# KiCad board raven.kicad_pcb
title: Raven 68060; date: 2026; rev: A2b; company: Licensed under CERN-OHL-W v2; note: (c)2026 Anders Granlund
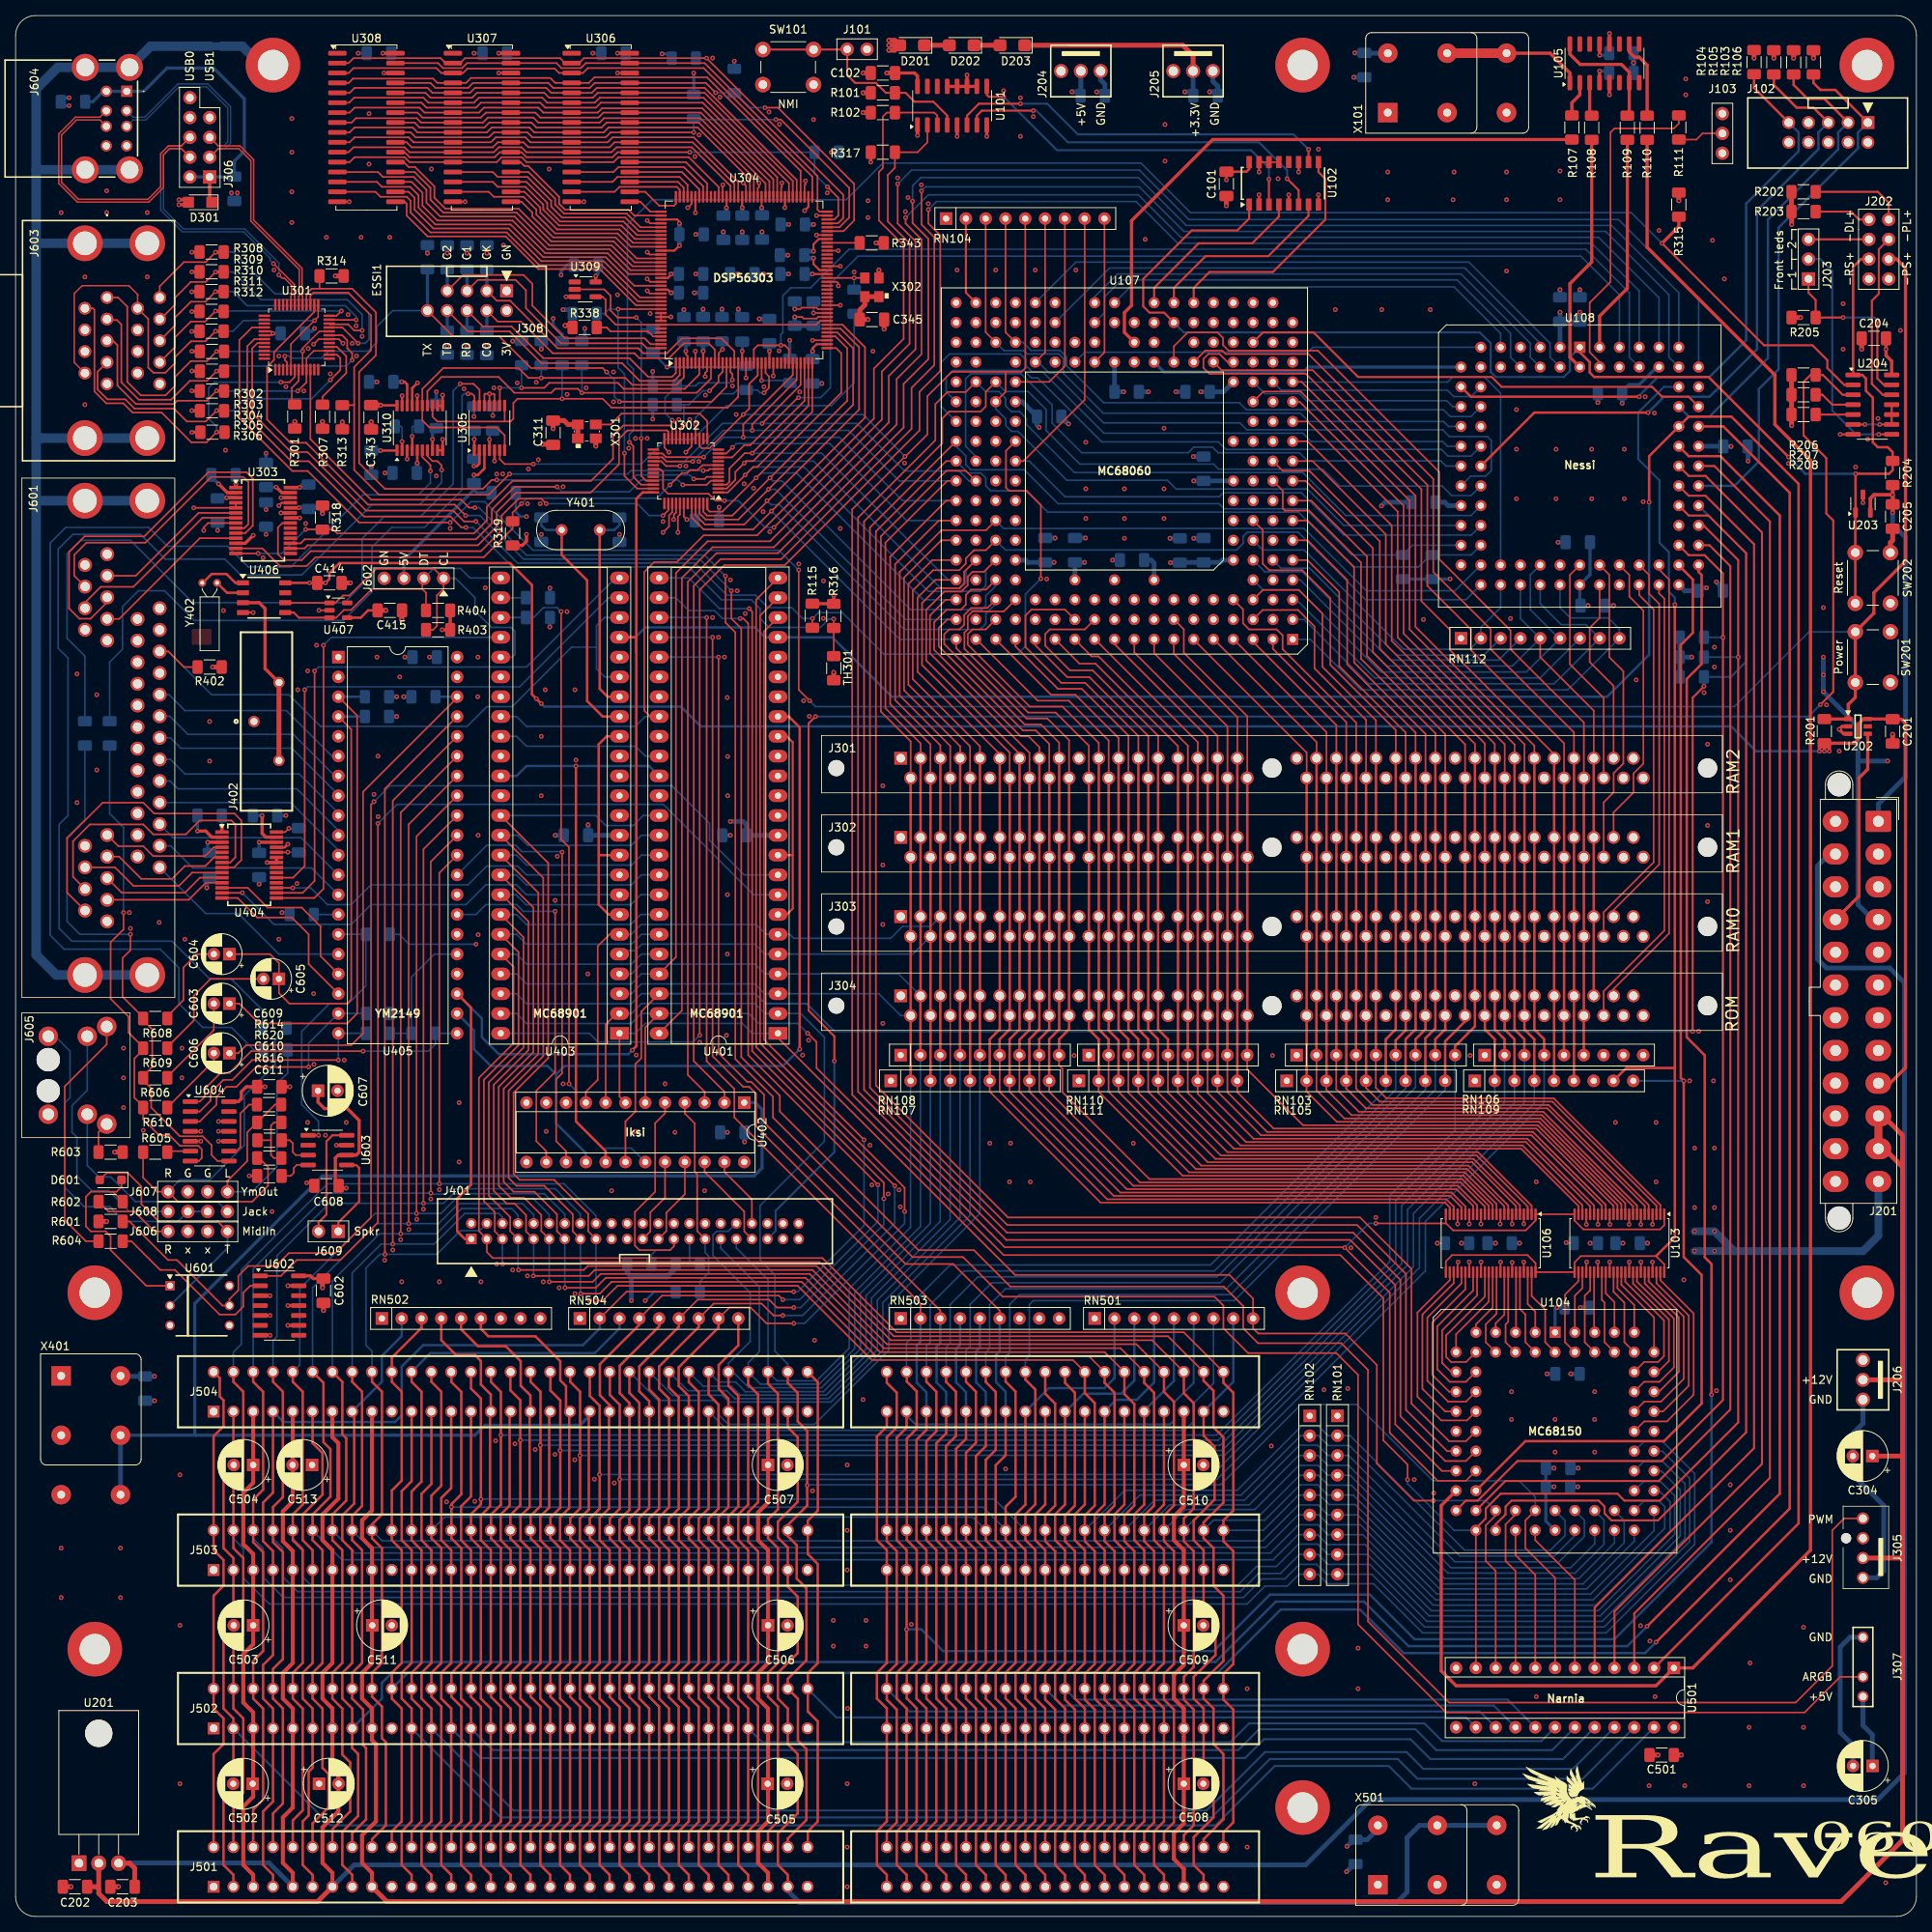
[diagram p0: board, top side]
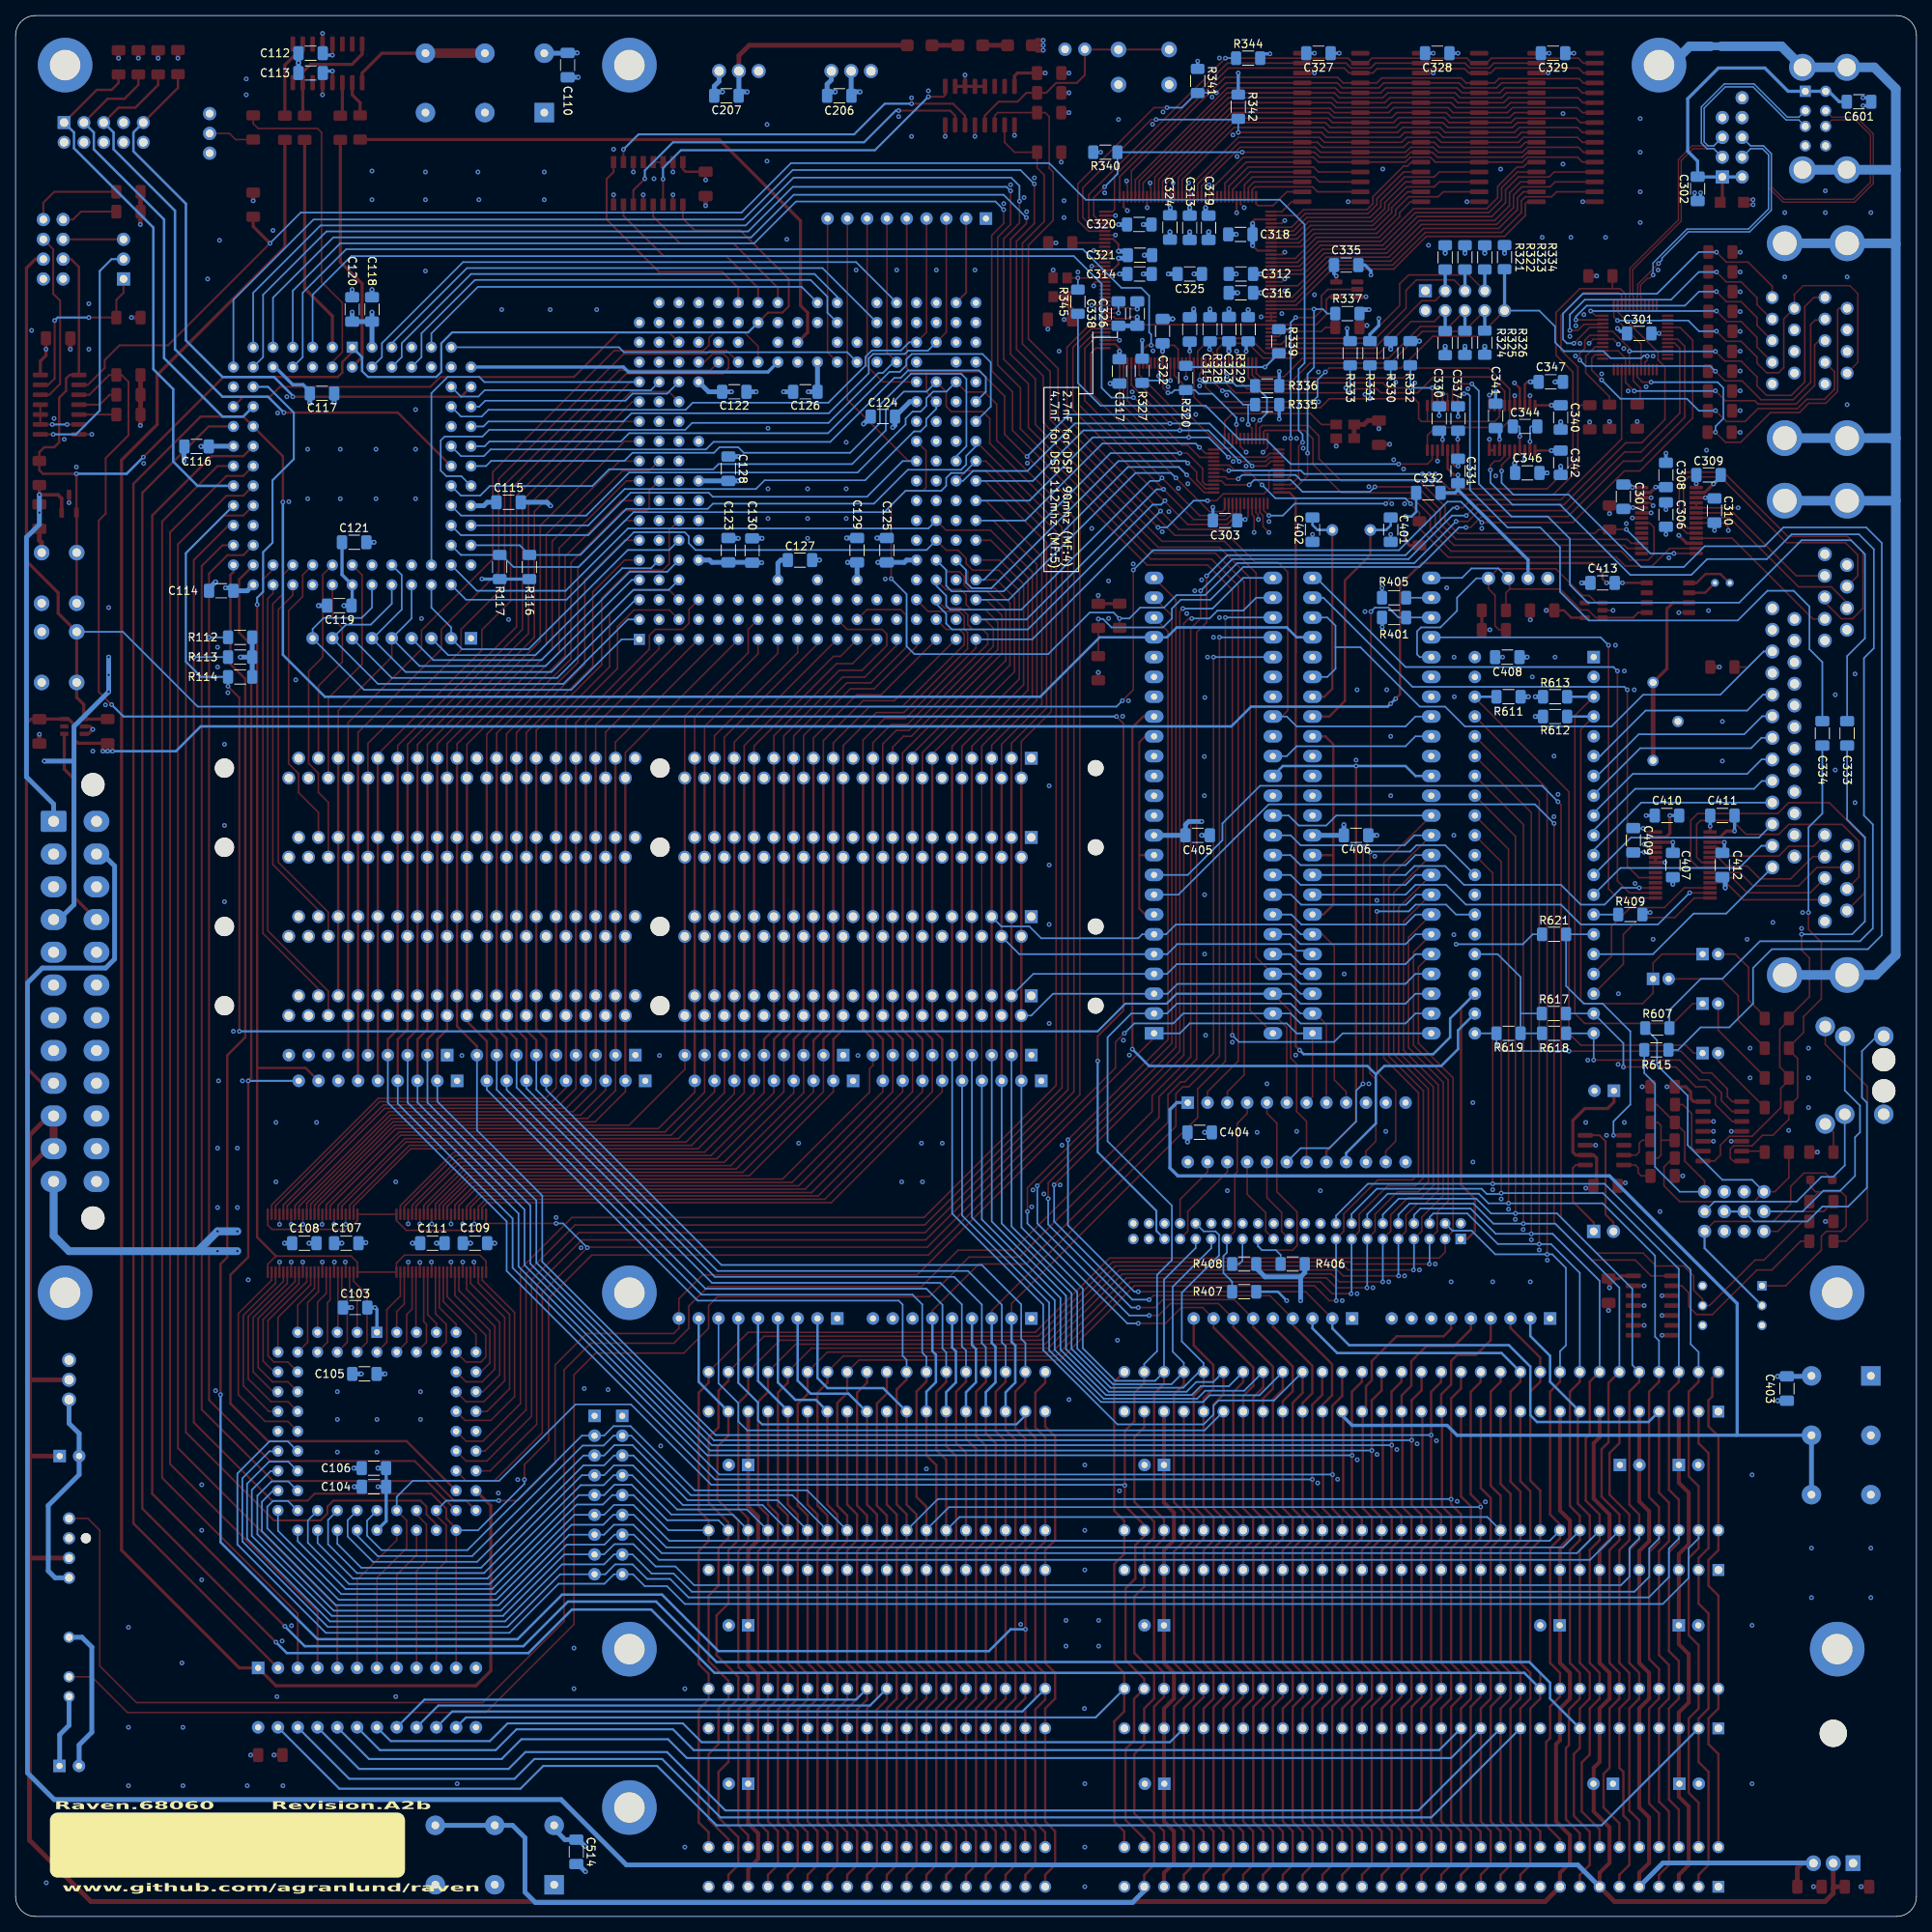
[diagram p1: board, bottom side, seen from below]

Outline 243.84 x 243.84 mm; copper layers: Top, In1.Cu (plane), In2.Cu (plane), In3.Cu (plane), In4.Cu (plane), Bottom. Coordinates in mm from the lower left corner of the outline.
Outline path: 0,241.3 0,2.54 arc(0.74,0.74) 2.54,0 241.3,0 arc(243.1,0.74) 243.84,2.54 243.84,241.3 arc(243.1,243.1) 241.3,243.84 2.54,243.84 arc(0.74,243.1) 0,241.3
Stack: Top 0.035mm / dielectric 0.0994mm FR4 er 4.5 / In1.Cu 0.0152mm / dielectric 0.55mm FR4 er 4.5 / In2.Cu 0.0152mm / dielectric 0.1088mm FR4 er 4.5 / In3.Cu 0.0152mm / dielectric 0.55mm FR4 er 4.5 / In4.Cu 0.0152mm / dielectric 0.0994mm FR4 er 4.5 / Bottom 0.035mm

## Placement (name value [footprint] x y rotation side)
C101  0.1u  [C_1206_3216Metric_Pad1.33x1.80mm_HandSolder]  155.32 222.25 270 top
C102  0.1u  [C_1206_3216Metric_Pad1.33x1.80mm_HandSolder]  111.25 236.47 180 top
C103  0.1u  [C_1206_3216Metric_Pad1.33x1.80mm_HandSolder]  200.28 78.11 0 bottom
C104  0.1u  [C_1206_3216Metric_Pad1.33x1.80mm_HandSolder]  197.87 55.12 0 bottom
C105  1u  [C_1206_3216Metric_Pad1.33x1.80mm_HandSolder]  199.09 69.6 180 bottom
C106  10u  [C_1206_3216Metric_Pad1.33x1.80mm_HandSolder]  197.88 57.51 180 bottom
C107  0.1u  [C_1206_3216Metric_Pad1.33x1.80mm_HandSolder]  201.42 86.36 180 bottom
C108  0.1u  [C_1206_3216Metric_Pad1.33x1.80mm_HandSolder]  206.79 86.36 180 bottom
C109  0.1u  [C_1206_3216Metric_Pad1.33x1.80mm_HandSolder]  184.91 86.36 180 bottom
C110  0.1u  [C_1206_3216Metric_Pad1.33x1.80mm_HandSolder]  173.02 237.49 90 bottom
C111  0.1u  [C_1206_3216Metric_Pad1.33x1.80mm_HandSolder]  190.37 86.36 180 bottom
C112  0.1u  [C_1206_3216Metric_Pad1.33x1.80mm_HandSolder]  205.99 236.47 180 bottom
C113  0.1u  [C_1206_3216Metric_Pad1.33x1.80mm_HandSolder]  205.99 239.01 180 bottom
C114  0.1u  [C_1206_3216Metric_Pad1.33x1.80mm_HandSolder]  217.46 170.05 180 bottom
C115  0.1u  [C_1206_3216Metric_Pad1.33x1.80mm_HandSolder]  180.59 181.41 0 bottom
C116  0.1u  [C_1206_3216Metric_Pad1.33x1.80mm_HandSolder]  220.62 188.57 180 bottom
C117  0.1u  [C_1206_3216Metric_Pad1.33x1.80mm_HandSolder]  204.53 195.38 0 bottom
C118  0.1u  [C_1206_3216Metric_Pad1.33x1.80mm_HandSolder]  198.12 206.15 270 bottom
C119  0.1u  [C_1206_3216Metric_Pad1.33x1.80mm_HandSolder]  202.31 168.15 180 bottom
C120  1u  [C_1206_3216Metric_Pad1.33x1.80mm_HandSolder]  200.66 206.15 270 bottom
C121  10u  [C_1206_3216Metric_Pad1.33x1.80mm_HandSolder]  200.41 176.28 0 bottom
C122  0.1u  [C_1206_3216Metric_Pad1.33x1.80mm_HandSolder]  151.64 195.58 0 bottom
C123  0.1u  [C_1206_3216Metric_Pad1.33x1.80mm_HandSolder]  152.4 175.26 270 bottom
C124  0.1u  [C_1206_3216Metric_Pad1.33x1.80mm_HandSolder]  132.59 192.41 180 bottom
C125  0.1u  [C_1206_3216Metric_Pad1.33x1.80mm_HandSolder]  132.08 175.26 270 bottom
C126  0.1u  [C_1206_3216Metric_Pad1.33x1.80mm_HandSolder]  142.53 195.58 180 bottom
C127  0.1u  [C_1206_3216Metric_Pad1.33x1.80mm_HandSolder]  143.22 173.99 0 bottom
C128  0.1u  [C_1206_3216Metric_Pad1.33x1.80mm_HandSolder]  152.4 185.71 270 bottom
C129  10u  [C_1206_3216Metric_Pad1.33x1.80mm_HandSolder]  135.89 175.26 270 bottom
C130  1u  [C_1206_3216Metric_Pad1.33x1.80mm_HandSolder]  149.35 175.22 270 bottom
C201  0.1u  [C_1206_3216Metric_Pad1.33x1.80mm_HandSolder]  240.79 152.02 270 top
C202  0.1u  [C_1206_3216Metric_Pad1.33x1.80mm_HandSolder]  7.62 3.81 180 top
C203  0.1u  [C_1206_3216Metric_Pad1.33x1.80mm_HandSolder]  13.72 3.81 180 top
C204  0.1u  [C_1206_3216Metric_Pad1.33x1.80mm_HandSolder]  238.38 202.44 180 top
C205  0.1u  [C_1206_3216Metric_Pad1.33x1.80mm_HandSolder]  240.79 179.58 270 top
C206  10u  [C_1206_3216Metric_Pad1.33x1.80mm_HandSolder]  138.18 233.55 0 bottom
C207  10u  [C_1206_3216Metric_Pad1.33x1.80mm_HandSolder]  152.65 233.55 0 bottom
C301  0.1u  [C_1206_3216Metric_Pad1.33x1.80mm_HandSolder]  35.56 203.07 180 bottom
C302  10u  [C_1206_3216Metric_Pad1.33x1.80mm_HandSolder]  28.07 221.62 270 bottom
C303  0.1u  [C_1206_3216Metric_Pad1.33x1.80mm_HandSolder]  88.68 179.07 0 bottom
C304  10u  [CP_Radial_D6.3mm_P2.50mm]  238.19 59.06 180 top
C305  100u  [CP_Radial_D6.3mm_P2.50mm]  238.21 19.3 180 top
C306  0.1u  [C_1206_3216Metric_Pad1.33x1.80mm_HandSolder]  32.13 179.83 270 bottom
C307  0.1u  [C_1206_3216Metric_Pad1.33x1.80mm_HandSolder]  37.59 182.12 90 bottom
C308  0.1u  [C_1206_3216Metric_Pad1.33x1.80mm_HandSolder]  32.13 184.91 90 bottom
C309  0.1u  [C_1206_3216Metric_Pad1.33x1.80mm_HandSolder]  26.67 184.91 0 bottom
C310  0.1u  [C_1206_3216Metric_Pad1.33x1.80mm_HandSolder]  25.91 180.34 270 bottom
C311  0.01u  [C_1206_3216Metric_Pad1.33x1.80mm_HandSolder]  68.95 190.33 270 top
C312  0.1u  [C_1206_3216Metric_Pad1.33x1.80mm_HandSolder]  86.65 210.69 180 bottom
C313  0.1u  [C_1206_3216Metric_Pad1.33x1.80mm_HandSolder]  93.22 216.62 90 bottom
C314  0.1u  [C_1206_3216Metric_Pad1.33x1.80mm_HandSolder]  99.66 210.69 0 bottom
C315  0.1u  [C_1206_3216Metric_Pad1.33x1.80mm_HandSolder]  93.22 203.58 270 bottom
C316  0.1u  [C_1206_3216Metric_Pad1.33x1.80mm_HandSolder]  86.65 208.28 180 bottom
C317  0.1u  [C_1206_3216Metric_Pad1.33x1.80mm_HandSolder]  102.23 198.21 90 bottom
C318  0.1u  [C_1206_3216Metric_Pad1.33x1.80mm_HandSolder]  86.72 215.77 180 bottom
C319  0.1u  [C_1206_3216Metric_Pad1.33x1.80mm_HandSolder]  90.81 216.62 90 bottom
C320  0.1u  [C_1206_3216Metric_Pad1.33x1.80mm_HandSolder]  99.69 217.04 180 bottom
C321  0.1u  [C_1206_3216Metric_Pad1.33x1.80mm_HandSolder]  99.61 213.11 0 bottom
C322  0.1u  [C_1206_3216Metric_Pad1.33x1.80mm_HandSolder]  96.7 203.37 270 bottom
C323  0.1u  [C_1206_3216Metric_Pad1.33x1.80mm_HandSolder]  88.19 203.62 270 bottom
C324  1u  [C_1206_3216Metric_Pad1.33x1.80mm_HandSolder]  95.76 216.66 90 bottom
C325  10u  [C_1206_3216Metric_Pad1.33x1.80mm_HandSolder]  93.22 210.69 180 bottom
C326  0.47u  [C_1206_3216Metric_Pad1.33x1.80mm_HandSolder]  99.95 205.61 270 bottom
C327  0.1u  [C_1206_3216Metric_Pad1.33x1.80mm_HandSolder]  76.71 239.01 0 bottom
C328  0.1u  [C_1206_3216Metric_Pad1.33x1.80mm_HandSolder]  61.47 239.01 0 bottom
C329  0.1u  [C_1206_3216Metric_Pad1.33x1.80mm_HandSolder]  46.61 239.01 0 bottom
C330  0.1u  [C_1206_3216Metric_Pad1.33x1.80mm_HandSolder]  61.21 192.15 270 bottom
C331  0.1u  [C_1206_3216Metric_Pad1.33x1.80mm_HandSolder]  58.8 185.42 270 bottom
C332  1u  [C_1206_3216Metric_Pad1.33x1.80mm_HandSolder]  62.61 182.63 180 bottom
C333  1u  [C_1206_3216Metric_Pad1.33x1.80mm_HandSolder]  8.89 151.77 270 bottom
C334  1u  [C_1206_3216Metric_Pad1.33x1.80mm_HandSolder]  12.06 151.77 270 bottom
C335  0.1u  [C_1206_3216Metric_Pad1.33x1.80mm_HandSolder]  73.15 211.84 180 bottom
C337  0.1u  [C_1206_3216Metric_Pad1.33x1.80mm_HandSolder]  58.8 192.15 270 bottom
C338  2.7n  [C_1206_3216Metric_Pad1.33x1.80mm_HandSolder]  102.36 205.61 90 bottom
C340  0.1u  [C_1206_3216Metric_Pad1.33x1.80mm_HandSolder]  45.63 192.28 270 bottom
C341  0.1u  [C_1206_3216Metric_Pad1.33x1.80mm_HandSolder]  53.98 192.49 90 bottom
C342  0.1u  [C_1206_3216Metric_Pad1.33x1.80mm_HandSolder]  45.63 186.48 270 bottom
C343  1u  [C_1206_3216Metric_Pad1.33x1.80mm_HandSolder]  45.59 192.32 270 top
C344  2.2u  [C_1206_3216Metric_Pad1.33x1.80mm_HandSolder]  50.2 191.14 180 bottom
C345  0.01u  [C_1206_3216Metric_Pad1.33x1.80mm_HandSolder]  109.85 204.85 0 top
C346  2.2u  [C_1206_3216Metric_Pad1.33x1.80mm_HandSolder]  49.91 185.17 0 bottom
C347  0.1u  [C_1206_3216Metric_Pad1.33x1.80mm_HandSolder]  46.9 196.86 180 bottom
C401  33p  [C_1206_3216Metric_Pad1.33x1.80mm_HandSolder]  67.44 177.89 90 bottom
C402  33p  [C_1206_3216Metric_Pad1.33x1.80mm_HandSolder]  77.47 177.89 90 bottom
C403  0.1u  [C_1206_3216Metric_Pad1.33x1.80mm_HandSolder]  16.61 67.72 90 bottom
C404  0.1u  [C_1206_3216Metric_Pad1.33x1.80mm_HandSolder]  91.95 100.58 180 bottom
C405  0.1u  [C_1206_3216Metric_Pad1.33x1.80mm_HandSolder]  92.2 138.68 0 bottom
C406  0.1u  [C_1206_3216Metric_Pad1.33x1.80mm_HandSolder]  71.88 138.68 0 bottom
C407  0.1u  [C_1206_3216Metric_Pad1.33x1.80mm_HandSolder]  31.24 134.87 270 bottom
C408  0.1u  [C_1206_3216Metric_Pad1.33x1.80mm_HandSolder]  52.48 161.54 180 bottom
C409  0.1u  [C_1206_3216Metric_Pad1.33x1.80mm_HandSolder]  36.32 138.05 90 bottom
C410  0.1u  [C_1206_3216Metric_Pad1.33x1.80mm_HandSolder]  32 141.22 0 bottom
C411  0.1u  [C_1206_3216Metric_Pad1.33x1.80mm_HandSolder]  24.89 141.22 0 bottom
C412  0.1u  [C_1206_3216Metric_Pad1.33x1.80mm_HandSolder]  24.89 134.87 270 bottom
C413  1u  [C_1206_3216Metric_Pad1.33x1.80mm_HandSolder]  40.26 171.07 180 bottom
C414  0.1u  [C_1206_3216Metric_Pad1.33x1.80mm_HandSolder]  40.26 171.07 180 top
C415  0.1u  [C_1206_3216Metric_Pad1.33x1.80mm_HandSolder]  48.01 167.54 180 top
C501  0.1u  [C_1206_3216Metric_Pad1.33x1.80mm_HandSolder]  211.16 20.7 180 top
C502  10u  [CP_Radial_D6.3mm_P2.50mm]  30.42 17.02 180 top
C503  10u  [CP_Radial_D6.3mm_P2.50mm]  30.48 37.34 180 top
C504  10u  [CP_Radial_D6.3mm_P2.50mm]  30.48 57.91 180 top
C505  10u  [CP_Radial_D6.3mm_P2.50mm]  96.48 17.02 0 top
C506  10u  [CP_Radial_D6.3mm_P2.50mm]  96.52 37.34 0 top
C507  10u  [CP_Radial_D6.3mm_P2.50mm]  96.52 57.91 0 top
C508  10u  [CP_Radial_D6.3mm_P2.50mm]  149.86 17.02 0 top
C509  10u  [CP_Radial_D6.3mm_P2.50mm]  149.86 37.34 0 top
C510  10u  [CP_Radial_D6.3mm_P2.50mm]  149.86 57.91 0 top
C511  10u  [CP_Radial_D6.3mm_P2.50mm]  45.76 37.34 0 top
C512  10u  [CP_Radial_D6.3mm_P2.50mm]  38.93 17.02 0 top
C513  10u  [CP_Radial_D6.3mm_P2.50mm]  38.04 57.91 180 top
C514  0.1u  [C_1206_3216Metric_Pad1.33x1.80mm_HandSolder]  171.91 8.28 90 bottom
C601  10u  [C_1206_3216Metric_Pad1.33x1.80mm_HandSolder]  7.37 232.79 180 bottom
C602  0.1u  [C_1206_3216Metric_Pad1.33x1.80mm_HandSolder]  39.5 80.26 270 top
C603  4u7  [CP_Radial_D5.0mm_P2.00mm]  27.43 117.09 180 top
C604  4u7  [CP_Radial_D5.0mm_P2.00mm]  27.43 123.44 180 top
C605  4u7  [CP_Radial_D5.0mm_P2.00mm]  33.78 120.27 180 top
C606  4u7  [CP_Radial_D5.0mm_P2.00mm]  27.43 110.74 180 top
C607  10u  [CP_Radial_D6.3mm_P2.50mm]  38.8 105.92 0 top
C608  0.1u  [C_1206_3216Metric_Pad1.33x1.80mm_HandSolder]  39.88 93.73 0 top
C609  0.1u  [C_1206_3216Metric_Pad1.33x1.80mm_HandSolder]  32.55 106.43 0 top
C610  0.1u  [C_1206_3216Metric_Pad1.33x1.80mm_HandSolder]  32.58 99.57 180 top
C611  0.1u  [C_1206_3216Metric_Pad1.33x1.80mm_HandSolder]  32.55 95 180 top
D201  1A 50V  [D_SOD-123F_Handsolder]  115 240.03 180 top
D202  1A 50V  [D_SOD-123F_Handsolder]  121.37 240.03 180 top
D203  1A 50V  [D_SOD-123F_Handsolder]  127.87 240.03 180 top
D301  PMEG2010ER  [SOD-123W-handsolder]  23.67 219.89 180 top
D601  1N914  [D_SOD-123F]  12.19 94.49 180 top
G***  LOGO  [bird]  198.02 14.07 0 top
H601  MountingHole_Pad-Mechanical  [ATX_hole]  10.16 34.29 90 top
H602  MountingHole_Pad-Mechanical  [ATX_hole]  165.1 34.29 90 top
H603  MountingHole_Pad-Mechanical  [ATX_hole]  10.16 80.01 90 top
H604  MountingHole_Pad-Mechanical  [ATX_hole]  165.1 80.01 90 top
H605  MountingHole_Pad-Mechanical  [ATX_hole]  33.02 237.49 90 top
H606  MountingHole_Pad-Mechanical  [ATX_hole]  165.1 237.49 90 top
H607  MountingHole_Pad-Mechanical  [ATX_hole]  165.1 13.97 90 top
H608  MountingHole_Pad-Mechanical  [ATX_hole]  237.49 80.01 90 top
H609  MountingHole_Pad-Mechanical  [ATX_hole]  237.49 237.49 90 top
J101  PinHdr_01x02  [PinHeader_1x02_P2.54mm_Vertical]  109.22 239.52 270 top
J102  PinHdr_02x05  [SHDR10W64P254_2X5_2036X885X925P]  237.62 230.12 180 top
J103  PinHdr_01x03  [PinHeader_1x03_P2.54mm_Vertical]  218.95 231.27 0 top
J201  ATX Power  [ATX_pwr24]  238.96 140.48 270 top
J202  Pinhdr_02x04  [PinHeader_2x04_P2.54mm_Vertical]  237.74 217.68 0 top
J203  PinHdr_01x03  [PinHeader_1x03_P2.54mm_Vertical#2]  230 210.06 180 top
J204  FanHeader  [HDRV3W99P0X254_1X3_747X635X843P]  134.11 236.73 0 top
J205  FanHeader  [HDRV3W99P0X254_1X3_747X635X843P]  148.51 236.73 0 top
J206  FanHeader  [HDRV3W99P0X254_1X3_747X635X843P]  236.98 71.37 270 top
J301  SIMM72  [SIMM72_v_lpol]  113.55 148.58 0 top
J302  SIMM72  [SIMM72_v_lpol]  113.55 138.42 0 top
J303  SIMM72  [SIMM72_v_lpol]  113.55 128.26 0 top
J304  SIMM72  [SIMM72_v_lpol]  113.55 118.1 0 top
J305  FanHeader  [470531000]  236.98 43.43 270 top
J306  PinHdr_02x05  [USB2Header]  24.9 223.14 180 top
J307  FanHeader  [HDRV4W76P0X254_1X4_1016X254X813P]  236.98 28.19 90 top
J308  PinHdr_02x05  [ESSI-BoxHeader]  62.99 208.53 270 top
J401  IDE44  [IDE44PIN]  58.45 86.9 0 top
J402  BatteryHolder  [S8401-46]  32.18 153.29 90 top
J501  -  [ISA16]  90.17 6.35 180 top
J502  -  [ISA16]  90.17 26.67 180 top
J503  -  [ISA16]  90.17 46.99 180 top
J504  -  [ISA16]  90.17 67.31 180 top
J601  DB25/9/9  [L17H26R0121]  18.48 167.81 270 top
J602  PinHdr_01x04  [PinHeader_1x04_P2.54mm_Vertical]  54.9 171.65 270 top
J603  DB9M/9M  [K42XE9PPA4NJ]  11.73 207.68 270 top
J604  USBx2  [USB1035GFP0BB]  14.26 234.13 270 top
J605  TRSx2  [STX4235-33]  9.19 107.9 270 top
J606  PinHdr_01x04  [PinHeader_1x04_P2.54mm_Vertical]  19.56 87.88 90 top
J607  PinHdr_01x04  [PinHeader_1x04_P2.54mm_Vertical]  19.56 92.96 90 top
J608  PinHdr_01x04  [PinHeader_1x04_P2.54mm_Vertical]  19.56 90.42 90 top
J609  PinHdr_01x02  [PinHeader_1x02_P2.54mm_Vertical#2]  41.4 87.88 270 top
NT601  NetTie_2  [NetTie-2_SMD_Pad0.5mm]  25.65 239.9 180 bottom
R101  10K  [R_1206_3216Metric_Pad1.30x1.75mm_HandSolder]  111.25 233.93 0 top
R102  10K  [R_1206_3216Metric_Pad1.30x1.75mm_HandSolder]  111.25 231.39 0 top
R103  10K  [R_1206_3216Metric_Pad1.30x1.75mm_HandSolder]  228.09 237.85 270 top
R104  4K7  [R_1206_3216Metric_Pad1.30x1.75mm_HandSolder]  223.01 237.87 270 top
R105  4K7  [R_1206_3216Metric_Pad1.30x1.75mm_HandSolder]  225.55 237.85 270 top
R106  4K7  [R_1206_3216Metric_Pad1.30x1.75mm_HandSolder]  230.63 237.85 270 top
R107  33  [R_1206_3216Metric_Pad1.30x1.75mm_HandSolder]  199.64 229.49 90 top
R108  33  [R_1206_3216Metric_Pad1.30x1.75mm_HandSolder]  202.18 229.45 90 top
R109  33  [R_1206_3216Metric_Pad1.30x1.75mm_HandSolder]  206.76 229.45 90 top
R110  33  [R_1206_3216Metric_Pad1.30x1.75mm_HandSolder]  209.3 229.45 90 top
R111  10K  [R_1206_3216Metric_Pad1.30x1.75mm_HandSolder]  213.36 229.49 270 top
R112  1K  [R_1206_3216Metric_Pad1.30x1.75mm_HandSolder]  215.04 164.08 0 bottom
R113  1K  [R_1206_3216Metric_Pad1.30x1.75mm_HandSolder]  215.04 161.54 0 bottom
R114  1K  [R_1206_3216Metric_Pad1.30x1.75mm_HandSolder]  215.04 159 0 bottom
R115  1K  [R_1206_3216Metric_Pad1.30x1.75mm_HandSolder]  102.21 166.85 270 top
R116  1K  [R_1206_3216Metric_Pad1.30x1.75mm_HandSolder]  177.93 173.1 90 bottom
R117  1K  [R_1206_3216Metric_Pad1.30x1.75mm_HandSolder]  181.74 173.1 90 bottom
R201  10K  [R_1206_3216Metric_Pad1.30x1.75mm_HandSolder]  232.03 152.05 270 top
R202  220  [R_1206_3216Metric_Pad1.30x1.75mm_HandSolder]  229.36 221.23 0 top
R203  220  [R_1206_3216Metric_Pad1.30x1.75mm_HandSolder]  229.36 218.69 0 top
R204  1K  [R_1206_3216Metric_Pad1.30x1.75mm_HandSolder]  240.79 185.17 90 top
R205  10K  [R_1206_3216Metric_Pad1.30x1.75mm_HandSolder]  229.36 205.11 180 top
R206  10K  [R_1206_3216Metric_Pad1.30x1.75mm_HandSolder]  229.36 197.74 180 top
R207  10K  [R_1206_3216Metric_Pad1.30x1.75mm_HandSolder]  229.36 195.2 180 top
R208  10K  [R_1206_3216Metric_Pad1.30x1.75mm_HandSolder]  229.36 192.66 180 top
R301  10K  [R_1206_3216Metric_Pad1.30x1.75mm_HandSolder]  35.81 192.41 90 top
R302  10K  [R_1206_3216Metric_Pad1.30x1.75mm_HandSolder]  25.2 200.76 0 top
R303  10K  [R_1206_3216Metric_Pad1.30x1.75mm_HandSolder]  25.2 198.22 0 top
R304  10K  [R_1206_3216Metric_Pad1.30x1.75mm_HandSolder]  25.2 195.68 0 top
R305  10K  [R_1206_3216Metric_Pad1.30x1.75mm_HandSolder]  25.2 193.14 0 top
R306  10K  [R_1206_3216Metric_Pad1.30x1.75mm_HandSolder]  25.25 190.4 0 top
R307  10K  [R_1206_3216Metric_Pad1.30x1.75mm_HandSolder]  39.37 192.38 90 top
R308  10K  [R_1206_3216Metric_Pad1.30x1.75mm_HandSolder]  25.15 213.51 0 top
R309  10K  [R_1206_3216Metric_Pad1.30x1.75mm_HandSolder]  25.15 210.97 0 top
R310  10K  [R_1206_3216Metric_Pad1.30x1.75mm_HandSolder]  25.15 208.43 0 top
R311  10K  [R_1206_3216Metric_Pad1.30x1.75mm_HandSolder]  25.15 205.89 0 top
R312  10K  [R_1206_3216Metric_Pad1.30x1.75mm_HandSolder]  25.15 203.35 0 top
R313  10K  [R_1206_3216Metric_Pad1.30x1.75mm_HandSolder]  41.91 192.32 90 top
R314  10K  [R_1206_3216Metric_Pad1.30x1.75mm_HandSolder]  40.54 210.44 180 top
R315  10K  [R_1206_3216Metric_Pad1.30x1.75mm_HandSolder]  213.36 219.58 270 top
R316  10K  [R_1206_3216Metric_Pad1.30x1.75mm_HandSolder]  104.95 166.83 90 top
R317  10K  [R_1206_3216Metric_Pad1.30x1.75mm_HandSolder]  111.25 226.31 0 top
R318  10K  [R_1206_3216Metric_Pad1.30x1.75mm_HandSolder]  39.37 179.45 270 top
R319  10K  [R_1206_3216Metric_Pad1.30x1.75mm_HandSolder]  63.75 177.42 90 top
R320  1K  [R_1206_3216Metric_Pad1.30x1.75mm_HandSolder]  93.73 197.36 270 bottom
R321  47K  [R_1206_3216Metric_Pad1.30x1.75mm_HandSolder]  60.45 212.83 270 bottom
R322  47K  [R_1206_3216Metric_Pad1.30x1.75mm_HandSolder]  57.91 212.83 270 bottom
R323  47K  [R_1206_3216Metric_Pad1.30x1.75mm_HandSolder]  55.37 212.83 270 bottom
R324  47K  [R_1206_3216Metric_Pad1.30x1.75mm_HandSolder]  60.45 201.83 90 bottom
R325  47K  [R_1206_3216Metric_Pad1.30x1.75mm_HandSolder]  57.91 201.86 90 bottom
R326  47K  [R_1206_3216Metric_Pad1.30x1.75mm_HandSolder]  55.37 201.88 90 bottom
R327  10K  [R_1206_3216Metric_Pad1.30x1.75mm_HandSolder]  99.31 198.27 90 bottom
R328  47K  [R_1206_3216Metric_Pad1.30x1.75mm_HandSolder]  90.62 203.61 270 bottom
R329  47K  [R_1206_3216Metric_Pad1.30x1.75mm_HandSolder]  85.72 203.61 270 bottom
R330  47K  [R_1206_3216Metric_Pad1.30x1.75mm_HandSolder]  67.44 200.53 270 bottom
R331  47K  [R_1206_3216Metric_Pad1.30x1.75mm_HandSolder]  70.1 200.53 270 bottom
R332  47K  [R_1206_3216Metric_Pad1.30x1.75mm_HandSolder]  64.93 200.53 270 bottom
R333  47K  [R_1206_3216Metric_Pad1.30x1.75mm_HandSolder]  72.64 200.53 270 bottom
R334  10K  [R_1206_3216Metric_Pad1.30x1.75mm_HandSolder]  52.83 212.85 270 bottom
R335  10K  [R_1206_3216Metric_Pad1.30x1.75mm_HandSolder]  83.29 193.93 0 bottom
R336  10K  [R_1206_3216Metric_Pad1.30x1.75mm_HandSolder]  83.29 196.34 0 bottom
R337  1K  [R_1206_3216Metric_Pad1.30x1.75mm_HandSolder]  73 205.61 0 bottom
R338  10K  [R_1206_3216Metric_Pad1.30x1.75mm_HandSolder]  73 203.84 0 top
R339  10K  [R_1206_3216Metric_Pad1.30x1.75mm_HandSolder]  81.79 202.06 90 bottom
R340  1K  [R_1206_3216Metric_Pad1.30x1.75mm_HandSolder]  104.04 226.31 180 bottom